# Altium PCB BomNhuDong_ml.PcbDoc
Units mm, origin at the board's own origin, x right, y up, seen from the top; angles counter-clockwise.
Board outline 104.39 x 64.64 mm, 2 copper layers (Top Layer, Bottom Layer); 11 components, 27 nets, 98 pads, 16 vias.
Unrouted connection lines stored in the file: 1.
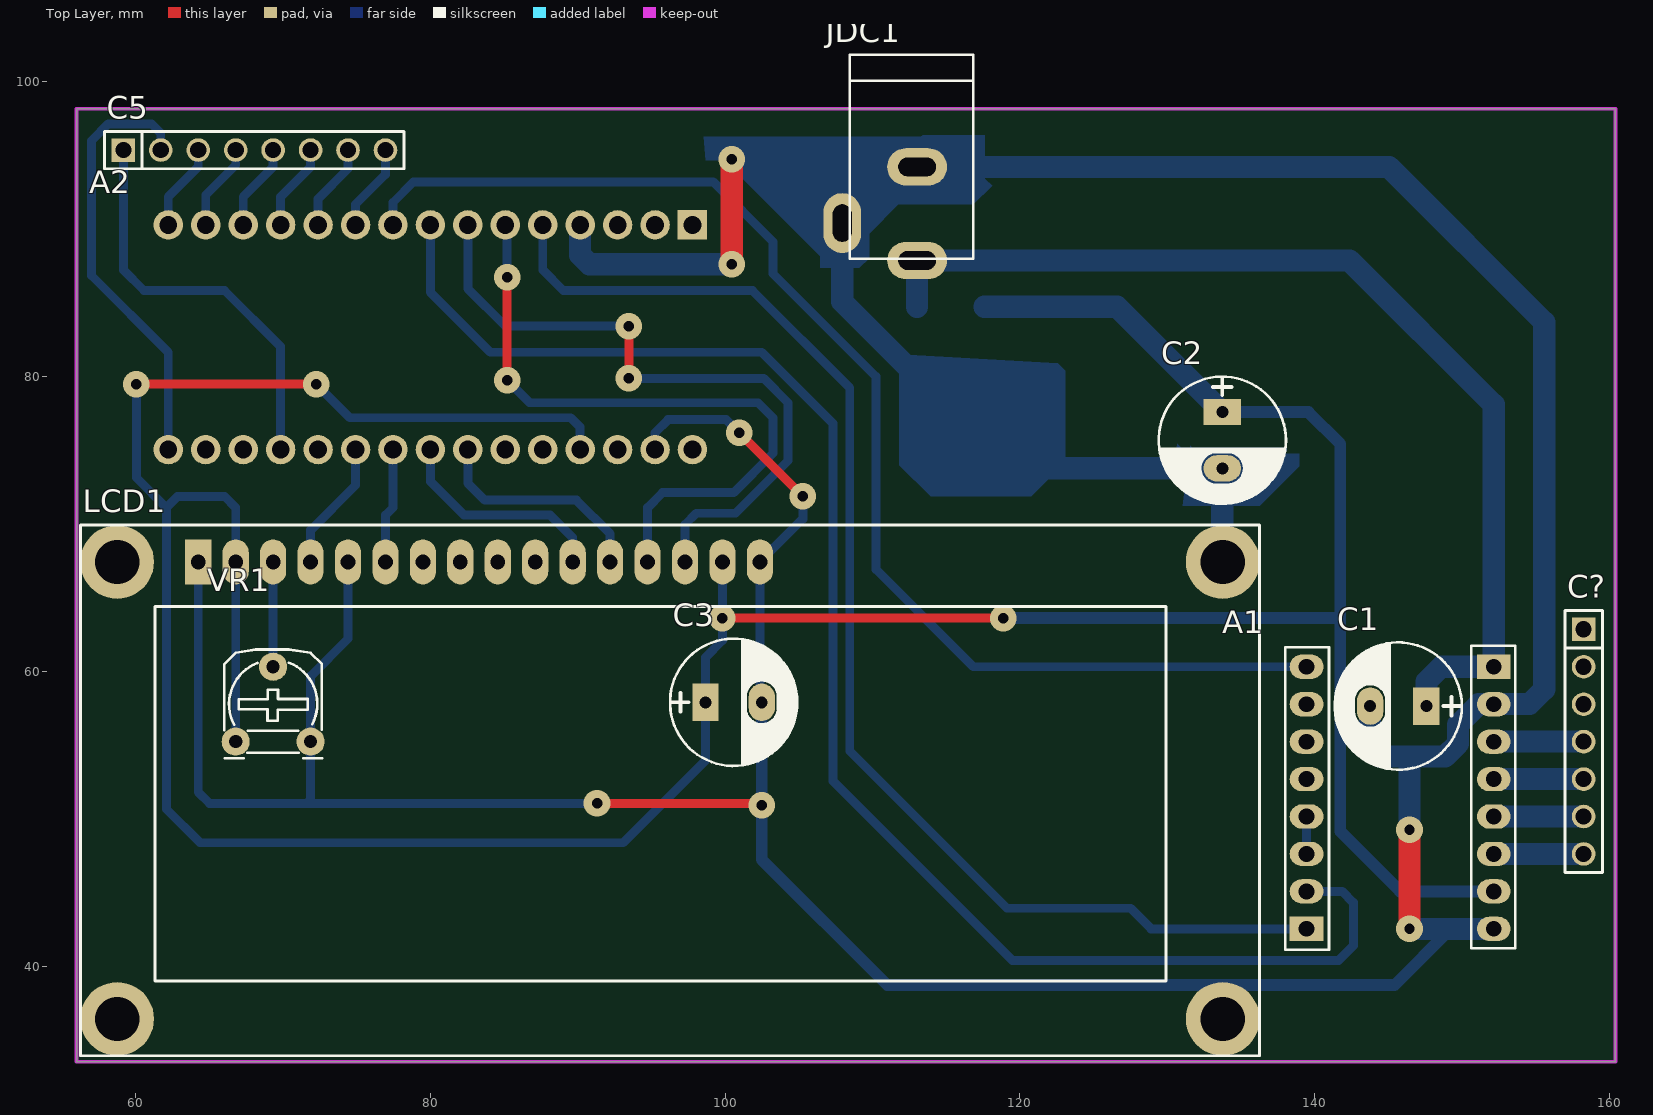
[diagram p0: Top Layer view]
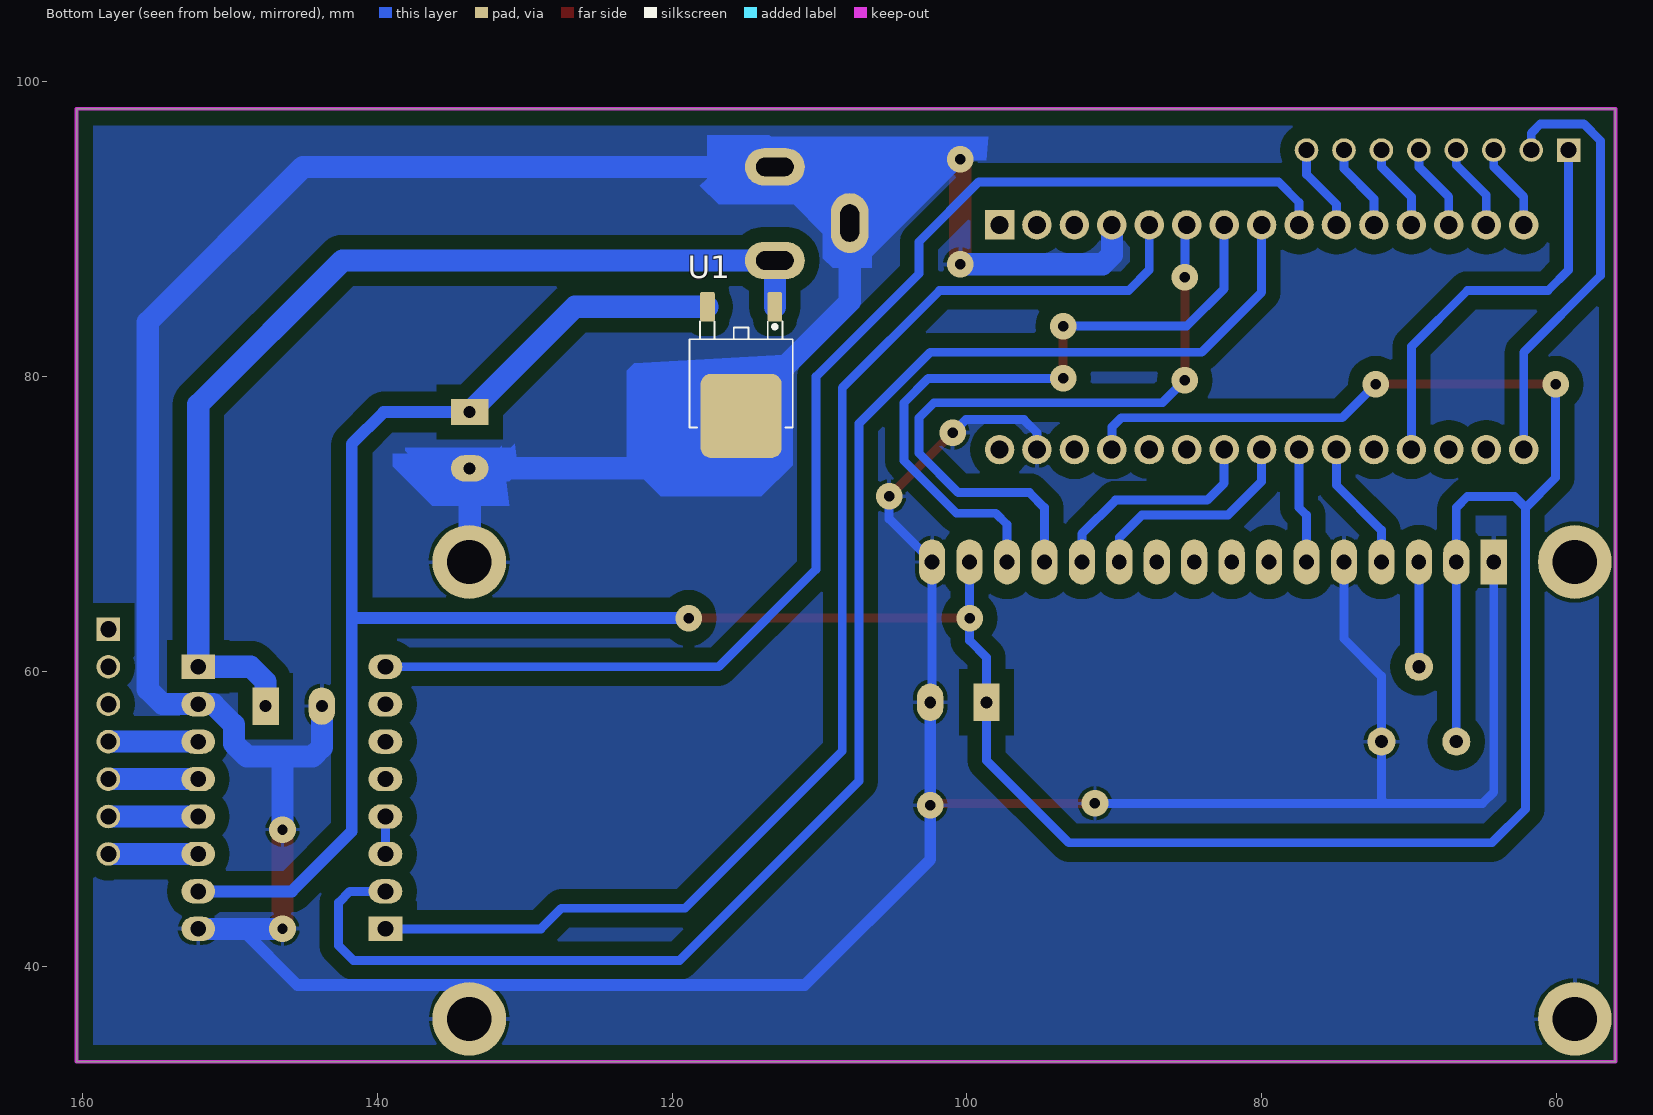
[diagram p1: Bottom Layer view, seen from below]

## Layer stack, top to bottom
Top Solder: solder mask 0.0102, Solder Resist, Dk 3.5
Top Layer: signal copper 0.0356
Dielectric 1: dielectric 0.32, FR-4, Dk 4.8
Bottom Layer: signal copper 0.0356
Bottom Solder: solder mask 0.0102, Solder Resist, Dk 3.5

## Board outline
56.007,33.528 160.401,33.528 160.401,98.171 56.007,98.171

## Design rules (kind name [scope] priority, off if disabled: settings)
Clearance [All] p1: gap=0.2 ignorepadtopadclearanceinfootprint=FALSE
PolygonConnect [All] p1: connectstyle=Relief reliefconductorwidth=0.254 reliefentries=4 polygonreliefangle="90 Angle" airgapwidth=0.254
RoutingVias [All] p1: holewidth=0.711 width=1.8 viastyle="Through Hole" minholewidth=0.711 minwidth=1.8 maxholewidth=0.711 maxwidth=1.8
SolderMaskExpansion [All] p1: expansion=0.102
Width [All] p1: maxlimit=1.5 minlimit=0.6 preferedwidth=0.8
30 further rules are at their usual default settings.

## Components (designator, comment, footprint, x,y, rotation, side; value= is the part's Value field where it differs from the comment)
A1 "A4988" A4988 137.668,60.452 r270 top
A2 "Arduino Nano" "Arduino Nano" 99.568,96.647 r180 top
C1 "1000uF/16V" CP1.5/3.4 147.574,57.658 r180 top
C2 "1000uF/16V" CP1.5/3.4 133.731,77.597 r270 top
C3 "1000uF/16V" CP1.5/3.4 98.679,57.912 r0 top
C5 "JP8" JP8-D1T 59.182,95.377 r0 top
C? "JP7" JP7-D1T 158.242,62.865 r270 top
JDC1 "Jack DC" DC0 110.49,91.059 r270 top
LCD1 "LCD 16x2A" LCD16X2 64.262,67.437 r0 top value=LCD16x2A
U1 "78XX" TO252-123 115.316,81.043 r0 bottom
VR1 "10k" VR-S2 66.802,55.245 r0 top

## Footprints (in the part's own frame and the unit in brackets; to place one, negate y for a bottom-side part, rotate by r counter-clockwise, add the part's x,y. Pads: shape width x height; smd on the part's side, far side on the other; paste and mask are expansions set on the pad)
A4988 [mil]
  oval 65x90 hole 42: 1(5,70) 2(105,70) 3(205,70) 4(305,70) 5(405,70) 6(505,70) 7(605,70) 9(705,570) 10(605,570) 11(505,570) 12(405,570) 13(305,570) 14(205,570) 15(105,570)
  rect 65x90 hole 42: 8(705,70) 16(5,570)
  silkscreen extent -51,13 761,627, body extent -45,-165 785,619, height 1024
"Arduino Nano" [mm]
  rect 2x2 hole 1.2: 0(1.778,6.35)
  round 2 hole 1.2: 1(4.318,6.35) 2(6.858,6.35) 3(9.398,6.35) 4(11.938,6.35) 5(14.478,6.35) 6(17.018,6.35) 7(19.558,6.35) 8(22.098,6.35) 9(24.638,6.35) 10(27.178,6.35) 11(29.718,6.35) 12(32.258,6.35) 13(34.798,6.35) 14(37.338,6.35) 15(37.338,21.59) 16(34.798,21.59) 17(32.258,21.59) 18(29.718,21.59) 19(27.178,21.59) 20(24.638,21.59) 21(22.098,21.59) 22(19.558,21.59) 23(17.018,21.59) 24(14.478,21.59) 25(11.938,21.59) 26(9.398,21.59) 27(6.858,21.59) 28(4.318,21.59) 29(1.778,21.59)
  body extent -2.04,4.97 42.96,22.97, height 13.1
CP1.5/3.4 [mil] "Tu hoa 220->470uF,16V, 470uF/16V,25V"
  rect 70x100 hole 32: 1(0,0)
  oval 70x100 hole 32: 2(150,0)
  silkscreen extent -95,-170 245,170, body extent -85,-157 230,157, height 446
DC0 [mil] "Jac DC input"
  oval 100x160 hole 50 slot 100 at 90 deg: 1(125,100) 2(-125,100)
  oval 160x100 hole 50 slot 100 at 0 deg: 3(25,-100)
  silkscreen extent -425,-80 120,250, body extent -410,-105 134,269, height 434
JP7-D1T [mm] "7 pins, 1 row, straight, gold plating"
  rect 1.6x1.6 hole 1.1: 1(0,0)
  round 1.6 hole 1.1: 2(2.54,0) 3(5.08,0) 4(7.62,0) 5(10.16,0) 6(12.7,0) 7(15.24,0)
  silkscreen extent -1.27,-1.27 16.51,1.27, body extent -1.27,-1.27 16.51,1.27, height 8.54
JP8-D1T [mm] "8 pins, 1 row, straight, gold plating"
  rect 1.6x1.6 hole 1.1: 1(0,0)
  round 1.6 hole 1.1: 2(2.54,0) 3(5.08,0) 4(7.62,0) 5(10.16,0) 6(12.7,0) 7(15.24,0) 8(17.78,0)
  silkscreen extent -1.27,-1.27 19.05,1.27, body extent -1.27,-1.27 19.05,1.27, height 8.54
LCD16X2 [mm] "LCD dipslay 16x2, 16 pin"
  round 5 hole 3: 1(-5.5,-31) 1(-5.5,0) 1(69.5,-31) 1(69.5,0)
  rect 1.778x3.048 hole 1: 1(0,0)
  oval 1.778x3.048 hole 1: 2(2.54,0) 3(5.08,0) 4(7.62,0) 5(10.16,0) 6(12.7,0) 7(15.24,0) 8(17.78,0) 9(20.32,0) 10(22.86,0) 11(25.4,0) 12(27.94,0) 13(30.48,0) 14(33.02,0) 15(35.56,0) 16(38.1,0)
  round 0 all layers, no hole: ""(-5.5,0)
  silkscreen extent -8,-33.5 72,2.5, body extent -7.87,-33.96 72.64,2.54, height 18.14
TO252-123 [mm]
  round 0.5 on Mech15: 0(0,0)
  rrect25% 1x2 smd: 1(-2.285,-3.7) 3(2.285,-3.7)
  rrect25% 5.5x5.7 smd: 2(0,3.7)
  silkscreen extent -3.5,-2.7 3.5,4.5, body extent -3.3,-3.95 3.3,5.76, height 2.31
VR-S2 [mil] "Resistor Variable"
  round 75 hole 35: 1(0,0) 2(100,200) 3(200,0)
  silkscreen extent -31,-44 231,246, body extent -87,-30 307,372, height 165

## Part data
C1 C2 C3: library part CP4, "Cap 1000uF/16V - 220uF/50V", Description 1="2200uF-3300uF/6,3V - 1000uF-2200uF/10V", Description 2="1000uF/16V - 470uF => 1000uF/25V - 100uF/100V", Description 3=330uF>470uF/35V_220uF>470uF/50V_10uF>22uF/250V, Description 4="220uF => 330uF/63V - 10uF =>33uF/160 - 200V", Description 5="4,7uF>10uF/250V_3,3uF>10uF/400V - 2,2uF>4,7uF/450V"
C5: "WR-PHD 2.54 mm Angled Socket Header", Manufacturer="Würth Elektronik eiSos GmbH", partNo=613008143121, ComponentLink1 Description=Manufacturer, ComponentLink1URL=http://www.we-online.com, ComponentLink2 Description=Datasheet, ComponentLink2URL=http://katalog.we-online.de/em/datasheet/6130xx143121.pdf, Created by="Karrer Zheng", Created Date="29 March 2013", NoPins=08
C?: "WR-PHD 2.54 mm Angled Socket Header", Manufacturer="Würth Elektronik eiSos GmbH", partNo=613007143121, ComponentLink1 Description=Manufacturer, ComponentLink1URL=http://www.we-online.com, ComponentLink2 Description=Datasheet, ComponentLink2URL=http://katalog.we-online.de/em/datasheet/6130xx143121.pdf, Created by="Karrer Zheng", Created Date="29 March 2013", NoPins=07
JDC1: library part JACK_DC
LCD1: library part LCD16x2A, "LCD dipslay 16 char, 2 line"
U1: library part LM78XX
VR1: library part "Resistor Var"

## Via types
v1: diameter 1.8, hole 0.711, Top Layer to Bottom Layer, 16 vias

## Nets (pads, with @x,y where several pads share a name; then routed paths per layer and width w, separated by ;. In a path a pad name is that pad's centre, name@x,y a point inside that pad or via, vN(x,y) a via of type N, cw(c..) or ccw(c..) an arc to the next point about the centre after c; other vN are vias at no path point)
3V3: A2.16
12V: A1.16 C1.1 JDC1.1 U1.1 | length 70.7
  Bottom Layer w1.5: U1.1 JDC1.1 JDC1.1 142.367,87.884 152.146,78.105 A1.16 148.59,60.325 147.574,59.309 C1.1
D4: A2.22 LCD1.11 | length 15
  Bottom Layer w0.6: A2.22 80.01,72.898 82.296,70.612 88.138,70.612 89.662,69.088 LCD1.11
D5: A2.23 LCD1.12 | length 15.3
  Bottom Layer w0.6: A2.23 82.55,72.771 83.693,71.628 89.916,71.628 92.202,69.342 LCD1.12
D6: A2.5 LCD1.13 | length 45.8
  Top Layer w0.6: v1(85.217,79.756) v1(85.217,86.741)
  Bottom Layer w0.6: A2.5 85.217,90.17 v1(85.217,86.741) ; v1(85.217,79.756) 86.741,78.232 102.235,78.232 103.251,77.216 103.251,74.803 100.584,72.136 95.758,72.136 94.742,71.12 LCD1.13
D7: A2.6 LCD1.14 | length 46.6
  Top Layer w0.6: v1(93.472,79.883) v1(93.472,83.439)
  Bottom Layer w0.6: A2.6 82.55,85.979 85.09,83.439 v1(93.472,83.439) ; v1(93.472,79.883) 102.616,79.883 104.267,78.232 104.267,74.295 100.711,70.739 98.044,70.739 97.282,69.977 LCD1.14
DIR: A1.8 A2.4 | length 87.8
  Bottom Layer w0.6: A2.4 87.63,87.249 89.027,85.852 101.854,85.852 108.458,79.248 108.458,54.61 119.126,43.942 127.508,43.942 128.905,42.545 A1.8
EN: A2.21 LCD1.6 | length 7.8
  Bottom Layer w0.6: LCD1.6 76.962,70.612 77.47,71.12 A2.21
EN_STEP: A1.1 A2.8 | length 86.6
  Bottom Layer w0.6: A2.8 77.47,91.821 78.867,93.218 99.187,93.218 103.251,89.154 103.251,86.995 110.236,80.01 110.236,66.929 116.84,60.325 A1.1
GND: A1.9 A1.15 A2.3 A2.28 C1.2 C2.2 C3.2 JDC1.2 JDC1.3 LCD1.1 LCD1.5 LCD1.16 U1.2 VR1.3 | length 351.4
  Top Layer w0.6: v1(91.313,51.054) 102.362,51.054 v1(102.489,50.927) ; v1(100.965,76.2) v1(105.283,71.882)
  Top Layer w1.5: v1(100.457,87.63) v1(100.457,94.742) ; v1(146.431,42.545) v1(146.431,49.276)
  Bottom Layer w0.6: LCD1.1@64.262,67.437 64.262,51.816 65.024,51.054 71.628,51.054 ; LCD1.5 74.422,62.23 71.882,59.69 VR1.3 71.882,51.308 71.628,51.054 ; v1(91.313,51.054) 71.628,51.054 ; A2.28 95.25,76.2 96.139,77.089 100.076,77.089 v1(100.965,76.2) ; C3.2 102.362,58.039 LCD1.16 105.283,70.358 v1(105.283,71.882)
  Bottom Layer w0.8: C3.2 v1(102.489,50.927) 102.489,47.244 110.998,38.735 145.415,38.735 149.225,42.545
  Bottom Layer w1.5: A2.3 90.17,88.265 90.805,87.63 v1(100.457,87.63) ; v1(100.457,94.742) 112.522,94.742 JDC1.2 ; LCD1.1@133.762,67.437 133.731,67.468 C2.2 118.872,73.787 U1.2 115.316,77.724 107.95,85.09 JDC1.3 111.76,94.234 JDC1.2 ; C1.2 143.764,54.864 144.399,54.229 146.431,54.229 ; v1(146.431,42.545) 149.225,42.545 A1.9 ; v1(146.431,49.276) 146.431,54.229 ; JDC1.2 145.034,94.234 155.575,83.693 155.575,58.801 154.559,57.785 A1.15 151.13,57.785 149.733,56.388 149.733,55.118 148.844,54.229 146.431,54.229
NetA1_5: A1.5 A1.6 | length 2.5
  Bottom Layer w0.6: A1.6 A1.5
NetA1_11: A1.11 C?.7 | length 6.1
  Bottom Layer w1.5: A1.11 C?.7
NetA1_12: A1.12 C?.6 | length 6.1
  Bottom Layer w1.5: A1.12 C?.6
NetA1_13: A1.13 C?.5 | length 6.1
  Bottom Layer w1.5: A1.13 C?.5
NetA1_14: A1.14 C?.4 | length 6.1
  Bottom Layer w1.5: A1.14 C?.4
NetA2_9: A2.9 C5.8 | length 5.9
  Bottom Layer w0.6: A2.9 74.93,91.694 76.962,93.726 C5.8
NetA2_10: A2.10 C5.7 | length 5.9
  Bottom Layer w0.6: A2.10 72.39,92.075 74.422,94.107 C5.7
NetA2_11: A2.11 C5.6 | length 5.9
  Bottom Layer w0.6: A2.11 69.85,92.202 71.882,94.234 C5.6
NetA2_12: A2.12 C5.5 | length 5.9
  Bottom Layer w0.6: A2.12 67.31,92.202 69.342,94.234 C5.5
NetA2_13: A2.13 C5.4 | length 5.9
  Bottom Layer w0.6: A2.13 64.77,92.329 66.802,94.361 C5.4
NetA2_14: A2.14 C5.3 | length 5.9
  Bottom Layer w0.6: A2.14 62.23,92.202 64.262,94.234 C5.3
NetA2_15: A2.15 C5.2 | length 29.7
  Bottom Layer w0.6: C5.2 61.722,96.52 61.087,97.155 58.166,97.155 57.023,96.012 57.023,86.868 62.23,81.661 A2.15
NetA2_18: A2.18 C5.1 | length 27.9
  Bottom Layer w0.6: C5.1 59.182,87.249 60.579,85.852 66.04,85.852 69.85,82.042 A2.18
NetLCD1_3: LCD1.3 VR1.2 | length 7.1
  Bottom Layer w0.6: VR1.2 LCD1.3
RS: A2.20 LCD1.4 | length 8.9
  Bottom Layer w0.6: LCD1.4 71.882,69.596 74.93,72.644 A2.20
STEP: A1.7 A2.7 | length 107
  Bottom Layer w0.6: A2.7 80.01,85.725 84.074,81.661 102.489,81.661 107.315,76.835 107.315,52.578 119.507,40.386 141.605,40.386 142.621,41.402 142.621,44.323 141.859,45.085 A1.7
VCC: A1.10 A2.26 C2.1 C3.1 LCD1.2 LCD1.15 U1.3 VR1.1 | length 245.8
  Top Layer w0.6: v1(60.071,79.502) v1(72.263,79.502) ; v1(99.822,63.627) v1(118.872,63.627)
  Bottom Layer w0.6: v1(60.071,79.502) 60.071,73.152 62.103,71.12 ; VR1.1 LCD1.2 66.802,71.12 66.04,71.882 62.865,71.882 62.103,71.12 ; v1(72.263,79.502) 74.549,77.216 89.535,77.216 90.17,76.581 A2.26 ; LCD1.15 v1(99.822,63.627) 99.822,62.103 98.679,60.96 C3.1 98.679,53.975 93.091,48.387 64.389,48.387 62.103,50.673 62.103,71.12
  Bottom Layer w0.8: v1(118.872,63.627) 141.605,63.627 141.732,63.5 ; C2.1 139.573,77.597 141.732,75.438 141.732,63.5 ; A1.10 145.796,45.085 141.732,49.149 141.732,63.5
  Bottom Layer w1.5: U1.3 126.585,84.743 C2.1
pads on no net: A1.2 A1.3 A1.4 A2.0 A2.1 A2.2 A2.17 A2.19 A2.24 A2.25 A2.27 A2.29 C?.1 C?.2 C?.3 LCD1. LCD1.7 LCD1.8 LCD1.9 LCD1.10 U1.0

## Polygon pours and split planes (outlines as drawn)
GND on Bottom Layer "Bottom Layer-GND" (solid, pour order 2): 56.007,98.171 56.007,33.528 160.401,33.528 160.401,98.171
GND on Bottom Layer "Bottom Layer-GND 1" (solid, pour order 0): 56.642,96.774

## Keep-outs
Keep-Out Layer:
  the board outline again, w0.254

## Other copper
Bottom Layer:
  region net GND: 130.683,75.438 130.941,75.18 138.109,75.18 138.109,74.99 136.017,72.898 131.064,72.898 130.429,73.533
  region net GND: 131.572,75.311 132.098,74.785 138.938,74.785 138.938,73.914 136.271,71.247 131.064,71.247
  region net GND: 111.823,81.534 111.823,74.007 113.948,71.882 120.777,71.882 123.063,74.168 123.063,80.391 122.555,80.899
  region net GND: 98.679,94.685 99.943,94.685 106.448,88.18 106.448,87.376 109.093,87.376 109.769,88.052 109.769,89.709 111.754,91.694 116.843,91.694 118.11,92.961 117.624,93.446 117.624,96.393 113.406,96.393 113.279,96.266 98.552,96.266